# Altium PCB Pleiades_Frouf.PcbDoc (part 2 of 12)
Units mil, origin at the board's own origin, x right, y up, seen from the top; angles counter-clockwise.
Board outline 12244.09 x 4515.28 mil, 12 copper layers (TOP, GND1, IN1, GND2, POW1, GND3, POW2, GND4, GND5, IN2, GND6, BOT), stack 63.546 mil thick; 1442 components, 702 nets, 4419 pads, 1756 vias.
Unrouted connection lines stored in the file: 1088.
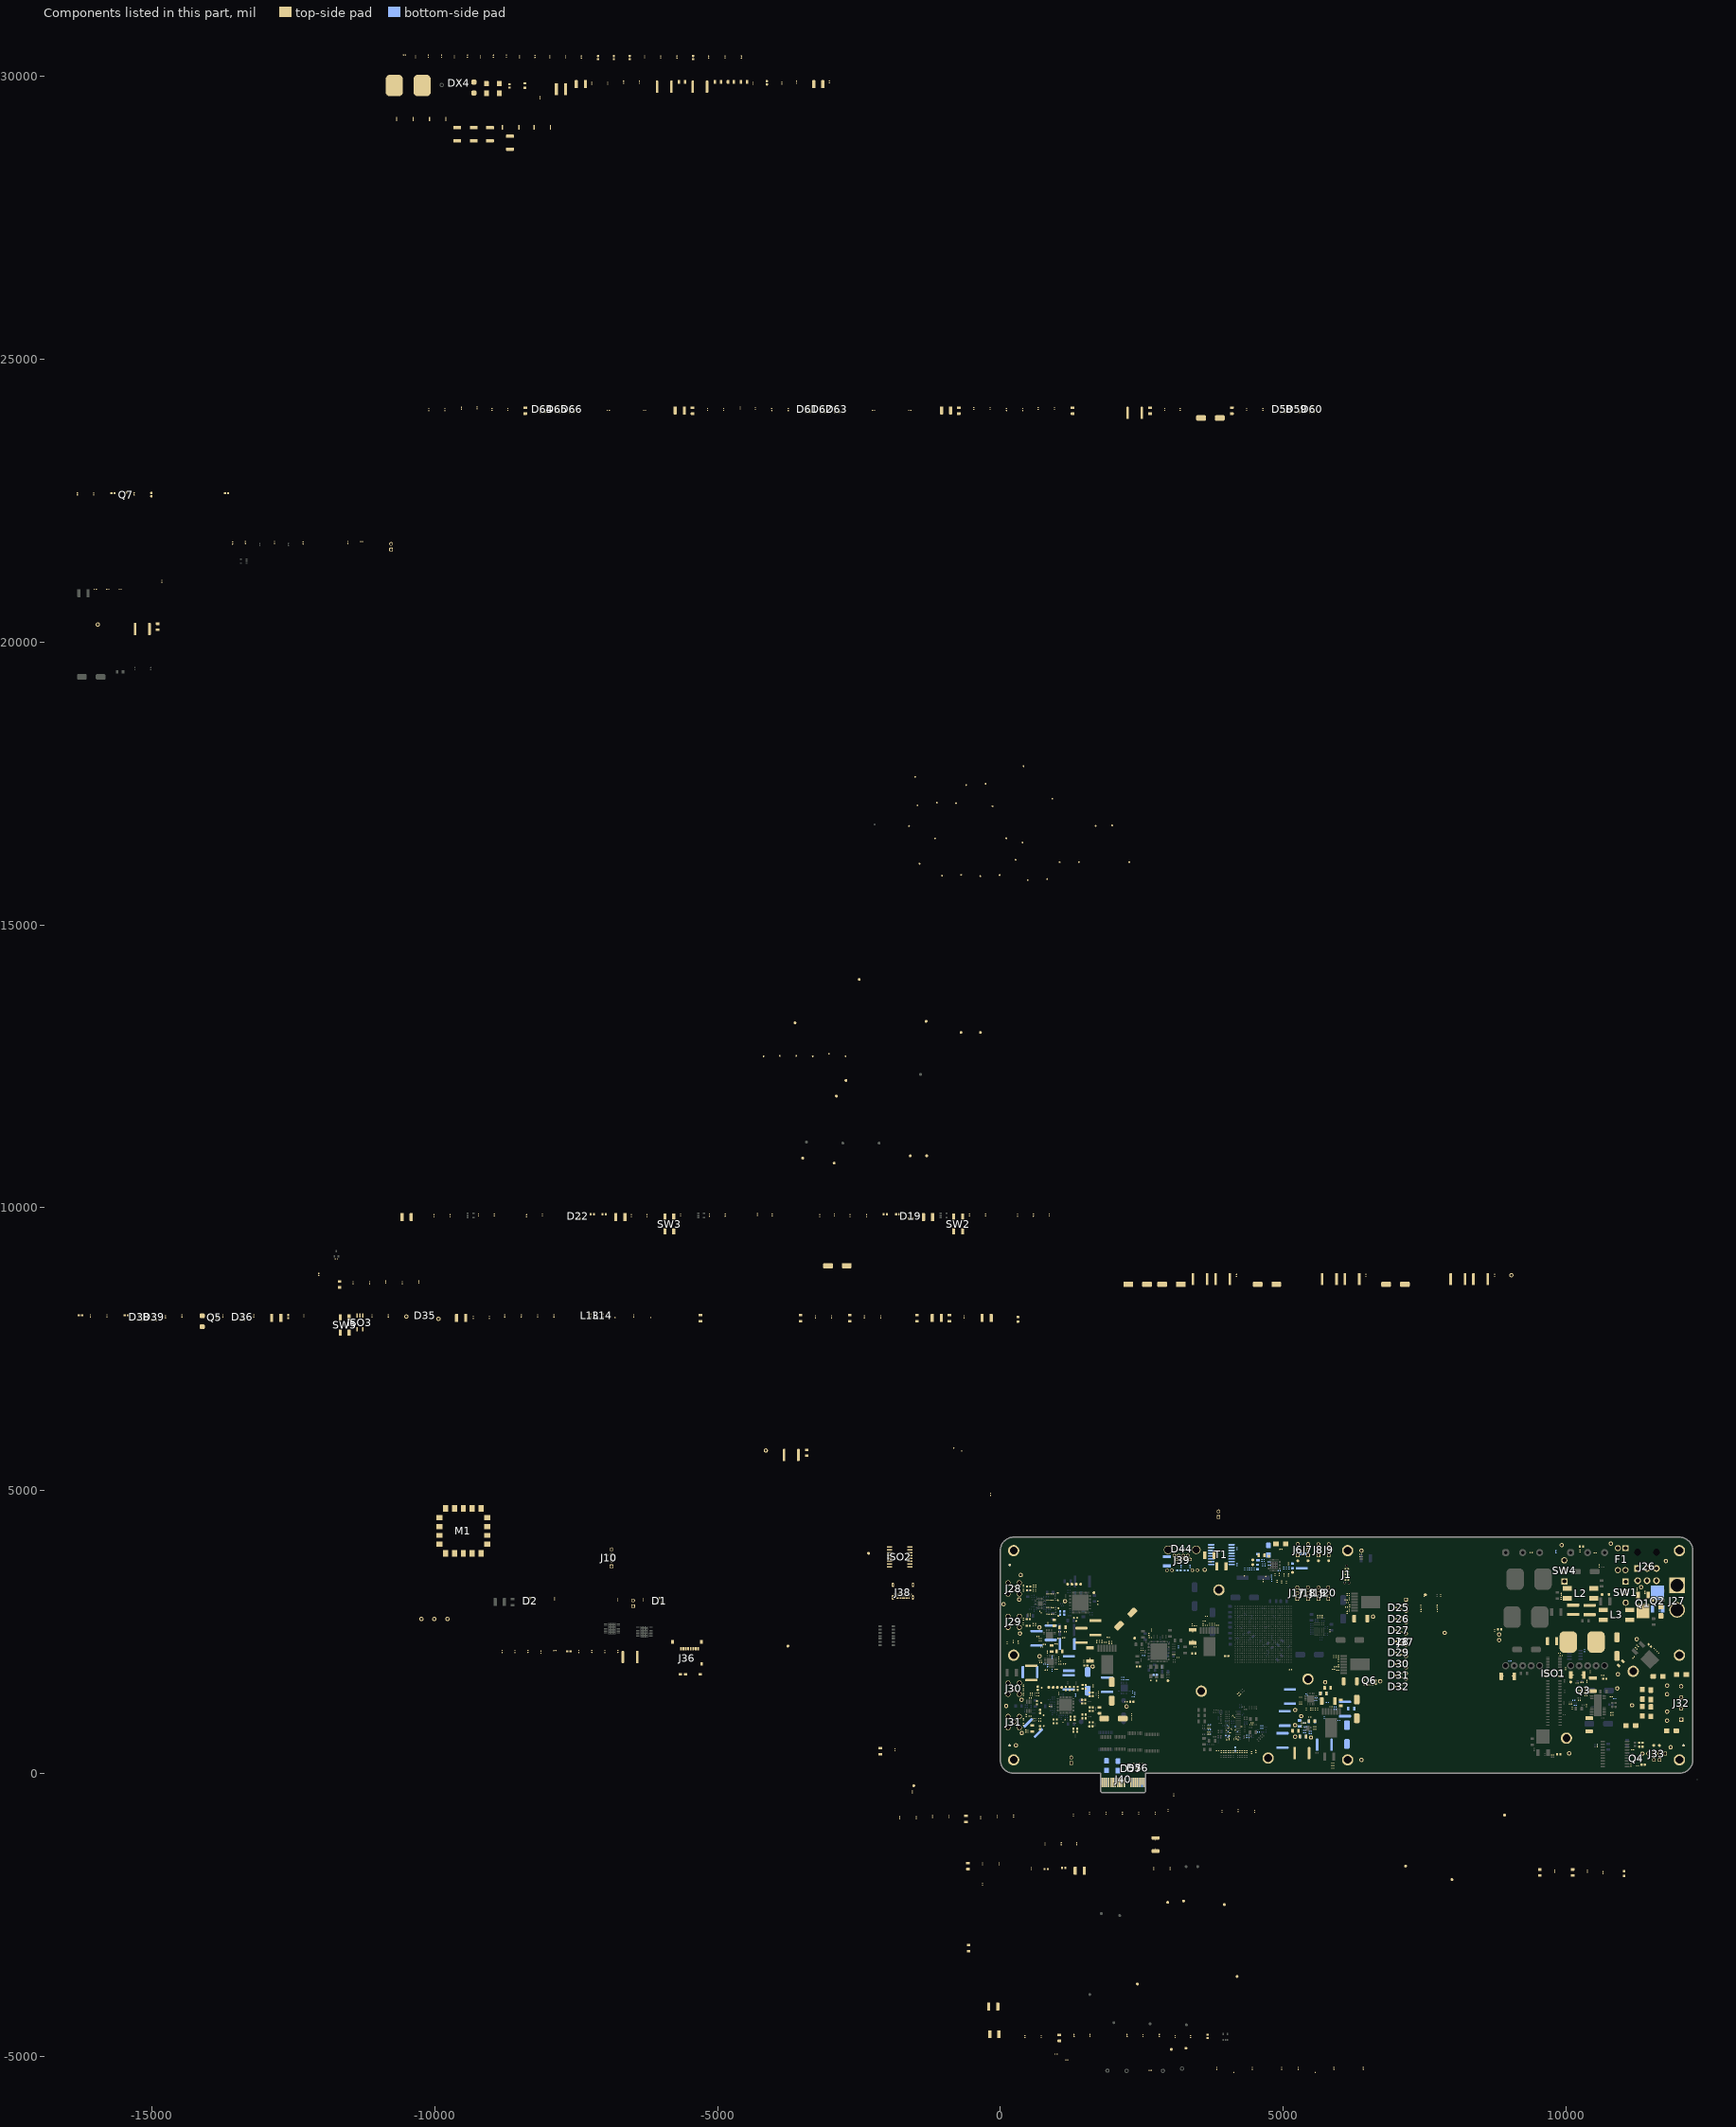
[diagram p12: the components of this part, seen from the top]

## Components (designator, comment, footprint, x,y, rotation, side; value= is the part's Value field where it differs from the comment) (continued)
C369 "1nF" CAP_0402 10554.23,487.63 r90 bottom
C370 "1nF" CAP_0402 10557.23,487.63 r90 top
C371 "4.7nF" CAP_1812 -1277.24,9833.35 r0 top
C372 "100nF" CAP_0402 -2655.19,9856.97 r90 top
C373 "100nF" CAP_0402 -2363.85,9856.97 r90 top
C374 "100nF" CAP_0402 -3194.56,9856.97 r90 top
C375 "4.7nF" CAP_1812 -6718.18,9833.35 r0 top
C376 "100nF" CAP_0402 -6525.26,9856.97 r90 top
C377 "100nF" CAP_0402 -6245.74,9856.97 r90 top
C378 "100nF" CAP_0402 -8375.65,9856.97 r90 top
C379 "100nF" CAP_0402 -10013.45,9856.97 r90 top
C380 "100nF" CAP_0402 -9729.98,9856.97 r90 top
C381 "4.7nF" CAP_1812 -10497.7,9833.35 r0 top
C382 "100nF" CAP_0402 -12050,8820 r90 top
C383 "100nF" CAP_0402 -10573.79,8671.97 r90 top
C384 "10uF" CAP_1206 -11684.02,8644.41 r90 top
C385 "100nF" CAP_0402 -11443.87,8671.97 r90 top
C386 "100nF" CAP_0402 -11152.53,8671.97 r90 top
C387 "1nF" CAP_0402 -10865.13,8687.72 r90 top
C388 "22uF" CAP_2220 1183.06,2284.9 r0 bottom
C389 "22uF" CAP_2220 893.31,2484.26 r270 bottom
C390 "22uF" CAP_2220 641.73,2385 r270 bottom
C391 "470nF" CAP_0402 709.73,2847.82 r315 top
C392 "22uF" CAP_2220 1214.16,1939.65 r90 bottom
C393 "22uF" CAP_2220 525,1790 r180 bottom
C394 "22uF" CAP_2220 547.95,1773.8 r270 top
C395 "470nF" CAP_0402 705.15,1995.02 r180 top
C396 "470nF" CAP_0402 1755,2330.54 r90 top
C397 "10uF" CAP_1206 953,2659.85 r90 top
C398 "1uF" CAP_1206 1100.7,2579.76 r0 top
C399 "47nF" CAP_0402 1048.4,2503.1 r0 top
C400 "10uF" CAP_1206 905.5,2206.72 r90 top
C401 "1uF" CAP_1206 1045.48,2155.9 r180 top
C402 "47nF" CAP_0402 1035.4,2036.61 r90 top
C403 "22uF" CAP_2220 -3697.36,5626.37 r0 top
C404 "1uF" CAP_1206 -3421.77,5665.74 r90 top
C405 "MAL215099101E3" CAP_ALU_1010_vishay 1835.22,967.1 r0 top value=100uF
C406 "MAL215099101E3" CAP_ALU_1010_vishay 1970.09,1282.85 r90 top value=100uF
C407 "22uF" CAP_2220 1681.14,2571.85 r90 top
C408 "22uF" CAP_2220 1434.6,2439.28 r90 top
C409 "100nF" CAP_0402 831.63,2142.87 r90 top
C410 "47nF" CAP_0402 2165.96,1697.68 r0 bottom
C411 "47nF" CAP_0402 2350.03,1352.83 r0 bottom
C412 "MAL215099101E3" CAP_ALU_1010_vishay 2333.85,2843.85 r225 top value=100uF
C413 "22uF" CAP_2220 -6547.4,2055 r0 top
C414 "1uF" CAP_1206 6206.16,1145.35 r0 bottom
C415 "MAL215099101E3" CAP_ALU_1010_vishay 1544.58,1790 r270 bottom value=100uF
C416 "47uF" CAP_2220 1210.07,1606.87 r90 bottom
C417 "22uF" CAP_2220 1887.83,1565.49 r90 bottom
C418 "470nF" CAP_0402 1737.6,1426.07 r90 top
C419 "100nF" CAP_0402 1737.83,1350.63 r270 top
C421 "10uF" CAP_1206 1754.12,1112.22 r270 top
C422 "100nF" CAP_0402 1639.29,1543.2 r90 top
C423 "100nF" CAP_0402 1330.99,1381.56 r90 bottom
C424 "47uF" CAP_2220 582.98,800.06 r315 bottom
C425 "10uF" CAP_1206 562.39,790.52 r270 top
C426 "100nF" CAP_0402 452.41,745.51 r270 top
C427 "100nF" CAP_0402 491.48,743.02 r270 top
C428 "470nF" CAP_0402 5729.06,982.18 r270 bottom
C429 "100nF" CAP_0402 5479.88,702.3 r180 bottom
C430 "1nF" CAP_0402 5479.88,743.18 r180 bottom
C431 "100nF" CAP_0402 5379.77,888.51 r0 bottom
C432 "1nF" CAP_0402 5379.88,888.46 r0 top
C433 "22uF" CAP_2220 6093.46,1135.59 r90 bottom
C434 "1uF" CAP_1206 6020.46,1246.55 r90 top
C435 "MAL215099101E3" CAP_ALU_1010_vishay 6303.46,1302.82 r270 top value=100uF
C436 "MAL215099101E3" CAP_ALU_1010_vishay 6128.46,519.12 r90 bottom value=100uF
C437 "22uF" CAP_2220 5030.08,967.57 r270 bottom
C438 "22uF" CAP_2220 5729.06,504.09 r180 bottom
C439 "100nF" CAP_0402 5470.64,993.18 r180 top
C440 "2.2uF" CAP_1206 5290.07,881.18 r90 bottom
C441 "47nF" CAP_0402 5393.07,822.3 r0 bottom
C442 "10uF" CAP_1206 5507.64,921.01 r180 top
C443 "1uF" CAP_1206 5509.7,919.19 r180 bottom
C444 "1uF" CAP_1206 5712.96,1410.87 r0 bottom
C445 "10uF" CAP_1206 5352.38,651.92 r0 top
C446 "10uF" CAP_1206 5220.51,750.12 r180 top
C447 "10uF" CAP_1206 5352.38,651.92 r0 bottom
C448 "100nF" CAP_0402 5379.88,716.92 r0 bottom
C449 "1nF" CAP_0402 5379.88,758.18 r0 bottom
C450 "22uF" CAP_2220 4988.46,580.92 r270 bottom
C451 "22uF" CAP_2220 5332.25,355.5 r180 top
C452 "22uF" CAP_2220 5120,1355.56 r90 bottom
C453 "470nF" CAP_0402 5418.64,1390.36 r315 bottom
C454 "10uF" CAP_1206 5712.96,1410.87 r0 top
C455 "1uF" CAP_1206 5788.46,1510.58 r0 top
C456 "47nF" CAP_0402 5585.14,1336.46 r180 bottom
C457 "470nF" CAP_0402 3587.5,2628.74 r90 top
C458 "470nF" CAP_0402 6173.26,2885 r270 top
C459 "470nF" CAP_0402 5965.69,1822.19 r180 top
C460 "MAL215099101E3" CAP_ALU_1010_vishay 6822.24,8645.47 r0 top value=100uF
C462 "22uF" CAP_2220 8089.96,8736.02 r0 top
C463 "22uF" CAP_2220 8491.53,8736.02 r0 top
C464 "100nF" CAP_0402 8739.56,8802.95 r90 top
C465 "22uF" CAP_2220 -15170.97,20231.02 r0 top
C466 "1uF" CAP_1206 -14899.32,20270.39 r90 top
C467 "MAL215099101E3" CAP_ALU_1010_vishay 2263.2,8645.47 r0 top value=100uF
C468 "MAL215099101E3" CAP_ALU_1010_vishay 2861.62,8645.47 r0 top value=100uF
C469 "22uF" CAP_2220 3530.91,8736.02 r0 top
C470 "22uF" CAP_2220 3932.49,8736.02 r0 top
C471 "100nF" CAP_0402 4176.58,8802.95 r90 top
C472 "MAL215099101E3" CAP_ALU_1010_vishay 4550.59,8645.47 r0 top value=100uF
C474 "22uF" CAP_2220 5818.31,8736.02 r0 top
C475 "22uF" CAP_2220 6219.88,8736.02 r0 top
C476 "100nF" CAP_0402 6463.98,8802.95 r90 top
C477 "100nF" CAP_0402 10284.37,1607.92 r0 top
C478 "100nF" CAP_0402 10329.25,2170.36 r90 bottom
C479 "100nF" CAP_0402 11242.66,2208.37 r135 top
C480 "100nF" CAP_0402 -312.4,-1960.91 r90 top
C481 "MAL214699108E3" CAP_ALU_1616_vishay 10534.08,2320 r180 top value=470uF
C482 "MAL215099101E3" CAP_ALU_1010_vishay 10904.08,2074.39 r90 top value=100uF
C483 "10uF" CAP_1206 10969.47,1943.94 r225 top
C484 "100nF" CAP_0402 11269.18,2253.26 r135 top
C485 "100nF" CAP_0402 11628.84,2138.38 r315 top
C486 "100nF" CAP_0402 11197.45,2047.51 r225 top
C487 "1nF" CAP_1812 9755.87,2335 r0 top
C488 "10uF" CAP_1206 -1474.09,8045.95 r90 top
C489 "4.7nF" CAP_1812 -1123.7,8049.89 r0 top
C490 "10uF" CAP_1206 -899.29,8045.95 r90 top
C491 "100nF" CAP_0402 -639.45,8069.57 r90 top
C492 "4.7nF" CAP_1812 -241.81,8049.89 r0 top
C493 "1uF" CAP_1206 -3533.14,8045.95 r90 top
C494 "100nF" CAP_0402 -3269.36,8069.57 r90 top
C495 "100nF" CAP_0402 -2981.96,8069.57 r90 top
C496 "1uF" CAP_1206 -2663.07,8045.95 r90 top
C497 "100nF" CAP_0402 -2403.22,8069.57 r90 top
C498 "100nF" CAP_0402 -2111.89,8069.57 r90 top
C499 "1uF" CAP_1206 -5300.86,8045.95 r90 top
C500 "470nF" CAP_0402 -9320.53,8061.7 r90 top
C501 "470nF" CAP_0402 -9033.13,8061.7 r90 top
C502 "1nF" CAP_1812 -9533.13,8049.89 r0 top
C503 "4.7nF" CAP_1812 -12800.84,8049.89 r0 top
C504 "100nF" CAP_0402 -14761.47,8069.57 r90 top
C505 "100nF" CAP_0402 4184.72,3971.16 r270 bottom
C506 "100nF" CAP_0402 4184.72,3689.59 r270 bottom
C507 "1nF" CAP_1812 2945.71,3746.67 r90 bottom
C508 "1nF" CAP_1812 3695,3855 r180 top
C509 "10uF" CAP_1206 4618.62,3852.08 r180 top
C510 "22pF" CAP_0402 4321.8,3611.72 r90 bottom
C511 "22pF" CAP_0402 4647.17,3408.86 r270 top
C512 "1nF" CAP_1812 3910,3659.12 r0 top
C513 "100nF" CAP_0402 4369.52,3611.72 r90 bottom
C514 "47nF" CAP_0402 4408.9,3611.66 r90 bottom
C515 "1nF" CAP_0402 4447.56,3611.72 r90 bottom
C516 "22uF" CAP_2220 5330.55,3753.52 r90 bottom
C517 "100nF" CAP_0402 5103.54,3629.22 r90 bottom
C518 "47nF" CAP_0402 5010.55,3629.22 r90 bottom
C519 "1nF" CAP_0402 5057.23,3629.22 r90 bottom
C520 "100nF" CAP_0402 4486.93,3611.66 r90 bottom
C521 "100nF" CAP_0402 4640.33,3684.43 r270 bottom
C522 "47nF" CAP_0402 4680.55,3684.37 r270 bottom
C523 "1nF" CAP_0402 4760.61,3680.35 r0 bottom
C524 "2.2uF" CAP_1206 4557.19,3822.08 r90 bottom
C525 "100nF" CAP_0402 4627.3,3762.47 r90 bottom
C526 "47nF" CAP_0402 4665.4,3762.47 r90 bottom
C527 "1nF" CAP_0402 4751.97,3736.87 r0 bottom
C528 "100nF" CAP_0402 3091.08,-4655.77 r90 top
C529 "100nF" CAP_0402 3362.73,-4655.77 r90 top
C530 "22pF" CAP_0402 2520.22,-4640.02 r90 top
C531 "10uF" CAP_1206 1043.84,-4679.39 r90 top
C532 "100nF" CAP_0402 724.94,-4655.77 r90 top
C533 "100nF" CAP_0402 433.61,-4655.77 r90 top
C534 "1uF" CAP_1206 9540.66,-1754.39 r90 top
C535 "100nF" CAP_0402 9800.5,-1730.77 r90 top
C536 "1uF" CAP_1206 10119.4,-1754.39 r90 top
C537 "100nF" CAP_0402 10379.24,-1730.77 r90 top
C538 "100nF" CAP_0402 4498.42,-674.51 r90 top
C539 "100nF" CAP_0402 3919.68,-674.51 r90 top
C540 "100nF" CAP_0402 2447.6,-705.91 r90 top
C541 "100nF" CAP_0402 2737.6,-705.91 r90 top
C542 "100nF" CAP_0402 1867.6,-705.91 r90 top
C543 "100nF" CAP_0402 2157.6,-705.91 r90 top
C544 "1nF" CAP_1812 1404.92,-1722.24 r0 top
C545 "100nF" CAP_0402 1577.6,-705.91 r90 top
C546 "1nF" CAP_1812 -125,-4125 r0 top
C547 "100nF" CAP_0402 -1862.4,414.09 r90 top
C548 "100nF" CAP_0402 1290,-740.91 r90 top
C549 "1nF" CAP_1812 -105,-4615 r0 top
C550 "1uF" CAP_1206 -5442.36,24091.87 r90 top
C551 "100nF" CAP_0402 -5178.58,24115.49 r90 top
C552 "100nF" CAP_0402 -4891.18,24115.49 r90 top
C553 "1nF" CAP_0402 -4599.84,24139.11 r90 top
C554 "1nF" CAP_0402 -4332.12,24131.24 r90 top
C555 "330pF" CAP_0402 -4040.78,24111.55 r90 top
C556 "330pF" CAP_0402 -3749.45,24111.55 r90 top
C557 "47uF" CAP_2220 2376.53,24052.5 r0 top
C558 "10uF" CAP_1206 2648.18,24091.87 r90 top
C559 "100nF" CAP_0402 2908.02,24115.49 r90 top
C560 "100nF" CAP_0402 3179.67,24115.49 r90 top
C561 "MAL215099101E3" CAP_ALU_1010_vishay 3549.75,23961.95 r0 top value=100uF
C562 "10uF" CAP_1206 4093.06,24091.87 r90 top
C563 "100nF" CAP_0402 4352.9,24115.49 r90 top
C564 "100nF" CAP_0402 4644.24,24115.49 r90 top
C565 "330pF" CAP_0402 -10107.7,24111.55 r90 top
C566 "330pF" CAP_0402 -9820.3,24111.55 r90 top
C567 "1nF" CAP_0402 -9528.96,24135.17 r90 top
C568 "1nF" CAP_0402 -9249.43,24143.05 r90 top
C569 "100nF" CAP_0402 -8989.59,24115.49 r90 top
C570 "100nF" CAP_0402 -8710.07,24115.49 r90 top
C571 "1uF" CAP_1206 -8399.04,24091.87 r90 top
C572 "1nF" CAP_1812 -958.11,24095.8 r0 top
C573 "1uF" CAP_1206 -733.7,24091.87 r90 top
C574 "47nF" CAP_0402 -469.92,24131.24 r90 top
C575 "1nF" CAP_0402 -182.52,24131.24 r90 top
C576 "330pF" CAP_0402 108.81,24111.55 r90 top
C577 "330pF" CAP_0402 396.22,24111.55 r90 top
C578 "1nF" CAP_0402 667.87,24131.24 r90 top
C579 "47nF" CAP_0402 959.21,24131.24 r90 top
C580 "1uF" CAP_1206 1278.1,24091.87 r90 top
C581 "1uF" CAP_1206 -560,-3090 r90 top
C582 "100nF" CAP_0402 2650.14,-5254.2 r0 top
C583 "100nF" CAP_0402 985.1,-4965 r0 top
C584 "1nF" CAP_0402 1175,-5070 r0 top
C585 "1nF" CAP_0402 -2241.57,24095.8 r0 top
C586 "330pF" CAP_0402 -1599.84,24095.8 r0 top
C587 "330pF" CAP_0402 -6930.54,24095.8 r0 top
C588 "330pF" CAP_0402 -6288.81,24095.8 r0 top
C589 "330pF" CAP_0402 -347.4,-785.91 r90 top
C590 "1nF" CAP_0402 -57.4,-765.91 r90 top
C591 "1nF" CAP_0402 232.6,-755.91 r90 top
C592 "100nF" CAP_0402 3065,-382.5 r90 top
C593 "100nF" CAP_0402 -1555.51,-330.9 r90 top
C594 "1uF" CAP_1206 -2122.4,389.09 r90 top
C595 "1uF" CAP_1206 -572.4,-1640.91 r90 top
C596 "47nF" CAP_0402 -312.4,-1600.91 r90 top
C597 "1nF" CAP_0402 -22.4,-1600.91 r90 top
C598 "330pF" CAP_0402 -1777.4,-785.91 r90 top
C599 "330pF" CAP_0402 -1487.4,-785.91 r90 top
C600 "1nF" CAP_0402 -1197.4,-765.91 r90 top
C601 "47nF" CAP_0402 -907.4,-765.91 r90 top
C602 "1uF" CAP_1206 -607.4,-805.91 r90 top
C603 "1nF" CAP_1812 -5666.76,24095.8 r0 top
CX1 "MAL214699108E3" CAP_ALU_1616_vishay -10222.87,29840 r180 top value=470uF
CX2 "MAL215099101E3" CAP_ALU_1010_vishay -3047.24,8972.44 r0 top value=100uF
CX3 "47uF" CAP_2220 -5942.4,29819.09 r0 top
CX4 "4.7uF" CAP_1206 -5627.4,29904.09 r0 top
CX5 "22uF" CAP_2220 -5312.4,29819.09 r0 top
CX6 "10uF" CAP_1206 -4992.4,29904.09 r0 top
CX7 "2.2uF" CAP_1206 -4762.4,29904.09 r0 top
CX8 "1uF" CAP_1206 -4532.4,29904.09 r0 top
CX9 "470nF" CAP_0402 -4372.4,29879.09 r90 top
CX10 "220nF" CAP_0603 -4127.4,29889.09 r90 top
CX11 "100nF" CAP_0402 -3862.4,29884.09 r90 top
CX12 "47nF" CAP_0402 -3602.4,29899.09 r90 top
CX13 "4.7nF" CAP_1812 -3217.4,29864.09 r0 top
CX14 "1nF" CAP_0402 -3022.4,29904.09 r90 top
CX15 "1nF" CAP_1812 -7417.4,29864.09 r0 top
CX16 "470pF" CAP_0402 -7222.4,29879.09 r90 top
CX17 "330pF" CAP_0402 -6942.4,29879.09 r90 top
CX18 "68pF" CAP_0402 -6662.4,29899.09 r90 top
CX19 "22pF" CAP_0402 -6382.4,29899.09 r90 top
D1 "BAV99-7-F" SOT23-3 -6026.64,3048.31 r0 top
D2 "BAV99-7-F" SOT23-3 -8314.04,3048.31 r0 top
D3 "SMBJ33-13" "DO214AA (SMB)" 11681.15,2867.54 r270 top
D4 "24V_IN" LED_0603 10275,4009.13 r0 top value=RED
D5 "5V" LED_0603 9875,335 r0 top value=RED
D6 "TPD1E1B04DPYR" TVS_DATA_TPD1E1B04DPYR 410.74,3313.86 r90 top
D7 "TPD1E1B04DPYR" TVS_DATA_TPD1E1B04DPYR 409.43,2723.66 r90 top
D8 "TPD1E1B04DPYR" TVS_DATA_TPD1E1B04DPYR 409.43,1550 r90 top
D9 "TPD1E1B04DPYR" TVS_DATA_TPD1E1B04DPYR 409.43,952.01 r90 top
D10 "SMBJ33-13" "DO214AA (SMB)" 11628.84,1712.45 r180 top
D11 "SMBJ33-13" "DO214AA (SMB)" 11352.68,1395.89 r270 top
D12 "SMBJ33-13" "DO214AA (SMB)" 11502.68,1089.03 r90 top
D13 "SMBJ33-13" "DO214AA (SMB)" 11866.45,750.89 r0 top
D14 "B340B-13-F" "DO214AA (SMB)" 12044.2,1745.09 r180 top
D15 "B340B-13-F" "DO214AA (SMB)" 11502.68,1385.89 r90 top
D16 "B340B-13-F" "DO214AA (SMB)" 11352.63,1096.78 r270 top
D17 "B340B-13-F" "DO214AA (SMB)" 11147.92,845 r0 top
D18 "CAN" LED_0603 11366.47,149.62 r0 top value=ORANGE
D19 "BAV99-7-F" SOT23-3 -1584.33,9853.04 r0 top
D20 "LED1" LED_0603 -2033.15,9884.53 r0 top value=ORANGE
D21 "LED2" LED_0603 -1812.67,9884.53 r0 top value=ORANGE
D22 "BAV99-7-F" SOT23-3 -7466.21,9853.04 r0 top
D23 "LED3" LED_0603 -7214.24,9884.53 r0 top value=ORANGE
D24 "LED4" LED_0603 -7005.58,9884.53 r0 top value=ORANGE
D25 "BAV99-7-F" SOT23-3 7042.27,2930 r90 top
D26 "BAV99-7-F" SOT23-3 7044.17,2730 r90 top
D27 "BAV99-7-F" SOT23-3 7044.17,2530 r90 top
D28 "BAV99-7-F" SOT23-3 7043.98,2329.93 r90 top
D29 "BAV99-7-F" SOT23-3 7044.17,2135 r90 top
D30 "BAV99-7-F" SOT23-3 7043.98,1930 r90 top
D31 "BAV99-7-F" SOT23-3 7044.17,1730 r90 top
D32 "BAV99-7-F" SOT23-3 7043.8,1530 r90 top
D33 "24V_MOT" LED_0603 10688.38,1671.64 r0 top value=RED
D34 "5V_MOT" LED_0603 11483.34,2259.82 r135 top value=RED
D35 "TPD2E001DRLR" TVS_USB_TPD2E001DRLR -10166.99,8089.26 r0 top value="11V Breakdown"
D36 "BAV99-7-F" SOT23-3 -13399.27,8065.64 r0 top
D37 "SMBJ5.0CA" TVS_PWR_SMBJ5.0CA -14111.86,7990.83 r90 top value="Vbr = 6.4V -  Clamp = 9.2V"
D38 "BAV99-7-F" SOT23-3 -15218.16,8065.64 r0 top
D39 "BAV99-7-F" SOT23-3 -14962.25,8065.64 r0 top
D40 "USB" LED_0603 -15454.38,8097.13 r0 top value=RED
D41 "RESET" LED_0603 -16265.4,8097.13 r0 top value=ORANGE
D42 "B340B-13-F" "DO214AA (SMB)" 4961.34,4054.58 r0 top
D43 "B340B-13-F" "DO214AA (SMB)" 4740.45,3944.58 r90 bottom
D44 "TPD4E05U06" TVS_DATA_TPD4E05U06 3209.37,3965.16 r270 bottom value="4 unidirectionnal channels"
D45 "+1V2" LED_0603 6635.36,1610.78 r90 top value=RED
D46 "+12V" LED_0603 8827.06,2542.83 r0 top value=RED
D47 "-6V" LED_0603 2323.9,1264.4 r0 top value=RED
D48 "+3V3D" LED_0603 3422.85,2116.32 r0 top value=RED
D49 "+6V" LED_0603 1511.84,1906.22 r0 top value=RED
D50 "+1V8D" LED_0603 -13680.91,22631.79 r0 top value=RED
D51 "+2V5D" LED_0603 -15688.78,22631.79 r0 top value=RED
D52 "SMBJ33-13" "DO214AA (SMB)" 2081.56,130 r90 bottom
D53 "SMBJ33-13" "DO214AA (SMB)" 1877.5,135 r90 bottom
D54 "12V_PCI" LED_0603 810.86,-1693.05 r0 top value=RED
D55 "3V3_PCI" LED_0603 1121.46,-1675 r0 top value=RED
D56 "TPD4E05U06" TVS_DATA_TPD4E05U06 2431.58,90 r90 top value="4 unidirectionnal channels"
D57 "TPD2E001DRLR" TVS_USB_TPD2E001DRLR 2320,84.94 r270 top value="11V Breakdown"
D58 "BAV99-7-F" SOT23-3 4994.63,24115.49 r0 top
D59 "BAV99-7-F" SOT23-3 5250.54,24115.49 r0 top
D60 "BAV99-7-F" SOT23-3 5510.38,24115.49 r0 top
D61 "BAV99-7-F" SOT23-3 -3402.99,24115.49 r0 top
D62 "BAV99-7-F" SOT23-3 -3143.15,24115.49 r0 top
D63 "BAV99-7-F" SOT23-3 -2887.24,24115.49 r0 top
D64 "BAV99-7-F" SOT23-3 -8091.96,24115.49 r0 top
D65 "BAV99-7-F" SOT23-3 -7832.11,24115.49 r0 top
D66 "BAV99-7-F" SOT23-3 -7576.21,24115.49 r0 top
DX1 "SMBJ33-13" "DO214AA (SMB)" -8857.4,29789.09 r90 top
DX2 "B340B-13-F" "DO214AA (SMB)" -9087.4,29789.09 r90 top
DX3 "SMBJ5.0CA" TVS_PWR_SMBJ5.0CA -9307.4,29804.09 r90 top value="Vbr = 6.4V -  Clamp = 9.2V"
DX4 "BAV99-7-F" SOT23-3 -9577.4,29884.09 r0 top
F1 "3568" 3568 10986.6,3786.32 r270 top
F2 "0297010.WXNV" 0297010.WXNV 12555,3575 r90 top
FB1 "782633601" IND_0603 2739.01,1740 r0 bottom
FB2 "782633601" IND_0603 2440.8,1886.99 r0 top
FB3 "782633601" IND_0603 11326.74,469.04 r0 top
FB4 "782633601" IND_0603 11326.74,538.85 r0 top
FB5 "782853152" IND_0805 309.37,8026.27 r90 top
FB6 "782853152" IND_0805 5163.23,3666.87 r270 bottom
FB7 "782853152" IND_0805 4543.9,3647.29 r90 bottom
FB8 "782853152" IND_0805 11028.84,-1774.08 r90 top
FBX1 "782633601" IND_0603 -8677.4,29834.09 r90 top
FBX2 "782853152" IND_0805 -8407.4,29839.09 r90 top
FD1 "FIDUCIAL" FIDUCIAL 165.35,3681.54 r0 top locked
FD2 "FIDUCIAL" FIDUCIAL 165.35,492.13 r0 top locked
FD3 "FIDUCIAL" FIDUCIAL 12080.67,492.13 r0 top locked
FD4 "FIDUCIAL" FIDUCIAL 165.35,3681.54 r180 bottom locked
FD5 "FIDUCIAL" FIDUCIAL 165.35,492.13 r180 bottom locked
FD6 "FIDUCIAL" FIDUCIAL 12080.67,492.13 r180 bottom locked
H1 "12 LAYERS" LAYERS_12 11267.72,74.8 r0 top locked
H3 "MTS-20" STANDOFF_MTS-20 6141.73,236.22 r180 bottom locked
H5 "MTS-20" STANDOFF_MTS-20 236.22,236.22 r180 bottom locked
H7 "MTS-20" STANDOFF_MTS-20 236.22,2086.61 r180 bottom locked
H9 "MTS-20" STANDOFF_MTS-20 12007.87,2086.61 r180 bottom locked
H11 "MTS-20" STANDOFF_MTS-20 236.22,3937.01 r180 bottom locked
H13 "MTS-20" STANDOFF_MTS-20 6141.73,3937.01 r180 bottom locked
H15 "MTS-20" STANDOFF_MTS-20 12007.87,3937.01 r180 bottom locked
H17 "MTS-20" STANDOFF_MTS-20 12007.87,236.22 r180 bottom locked
HEAT1 "ATS-CPX025025015-166-C1-R0" ATS-CPX025025015-166-C1-R0 4145.55,859.45 r0 top
HEAT2 "ATS-H1-152-C2-R0" ATS-H1-152-C2-R0 4652.4,2452.6 r0 top
HEAT3 "ATS-CPX025025015-166-C1-R0" ATS-CPX025025015-166-C1-R0 10600.35,1210.55 r90 top
ISO1 "ACPL-M72T" SOIC-5_4.4MM 9782.5,1765 r180 top
ISO2 "ADUM3160BRWZ-RL" ISO_ADUM3160BRWZ-RL -1780,3825 r0 top value="2500Vrms voltage isolation"
ISO3 "ACPL-M72T" SOIC-5_4.4MM -11324.47,7971.15 r90 top
J1 "Tag-Connect 10 pin" TC2050-NL 6126.73,3516.22 r270 top
J6 "TCK_SELECT" HEADER-3_100MIL 5260,3953.3 r90 top
J7 "TMS_SELECT" HEADER-3_100MIL 5440,3953.3 r90 top
J8 "TDI_SELECT" HEADER-3_100MIL 5625,3951.42 r90 top
J9 "TDO_SELECT" HEADER-3_100MIL 5806.66,3951.94 r90 top
J10 "FAN" FAN_HEADER-4 -6875,3810 r90 top
J12 "TAG_RST" HEADER-2_100MIL -6491.21,3005 r90 top
J17 "TCK_EXT_SELECT" HEADER-3_100MIL 5250,3185 r90 top
J18 "TMS_EXT_SELECT" HEADER-3_100MIL 5440,3185 r90 top
J19 "TDI_EXT_SELECT" HEADER-3_100MIL 5625,3185 r90 top
J20 "TDO_EXT_SELECT" HEADER-3_100MIL 5798.76,3185 r90 top
J22 "PCI_RST" HEADER-2_100MIL 1255,229.67 r90 top
J23 "RFUSE" HEADER-2_100MIL -10772.22,21685.2 r90 top
J25 "WDT_RST_EN" HEADER-2_100MIL 3858.02,4580 r90 top
J26 "0039300060" CON_MINIFIT_0039300060 11435.35,3801.95 r0 top
J27 "BATTERY_IN" XT90 11967.87,3105 r270 top
J28 "IN1" CONN_SMA_5-1814400-1 236.22,3267.72 r90 top locked
J29 "IN2" CONN_SMA_5-1814400-1 236.22,2677.17 r90 top locked
J30 "OUT1" CONN_SMA_5-1814400-1 236.22,1496.06 r90 top locked
J31 "OUT2" CONN_SMA_5-1814400-1 236.22,905.51 r90 top locked
J32 "MOTORS" CONN_TERMINAL_OSTTA040161 12037.68,1242.46 r90 top
J33 "CANBUS" HEADER-4_100MIL 11604.16,347.57 r180 top
J34 "CAN_TERM" HEADER-2_100MIL 11606.84,236.22 r180 top
J36 "5025700893" MICROSD_5025700893 -5540,2040 r0 top
J37 "DEBUG IO CONNECTOR" HEADER-16_100MIL 7174.17,2319.06 r270 top
J38 "UJ31-CH-G2-SMT-TR" UJ31-CH-G2-SMT-TR -1721.9,3276.32 r180 top
J39 "RJHSE-5385" CONN_ETHERNET_RJHSE-5385 3215.71,3850 r180 top
J40 "PCIe_x1" PCIe_x1 1797.24,-161.42 r0 top locked
L1 "74439346100" 74439346100 10419.45,2886.85 r90 top
L2 "PLT10HH101150PNL" IND_PLT10HH101150PNL 10258.09,3181.14 r270 top value="100R @ 10MHz"
L3 "PLT10HH101150PNL" IND_PLT10HH101150PNL 10895,2800 r90 top value="100R @ 10MHz"
L4 "74439346100" 74439346100 10127.01,2891.52 r270 top
L5 "ASCH0010050547NJCP" IND_0402 840.66,3171.49 r0 top
L6 "ASCH0010050547NJCP" IND_0402 840.91,3057.19 r0 top
L7 "ASCH0010050547NJCP" IND_0402 841.79,2928.06 r0 top
L8 "ASCH0010050547NJCP" IND_0402 843.16,2811.03 r0 top
L9 "ASCH0010050547NJCP" IND_0402 659,1371.06 r180 top
L10 "ASCH0010050547NJCP" IND_0402 659.23,1417.76 r180 top
L11 "ASCH0010050547NJCP" IND_0402 697.5,966.09 r180 top
L12 "ASCH0010050547NJCP" IND_0402 699.15,922.48 r180 top
L13 "DLM11SN900HY2L" DLM11SN900HY2L -7253.61,8093.2 r90 top
L14 "DLM11SN900HY2L" DLM11SN900HY2L -7033.14,8093.2 r90 top
LX1 "ASCH0010050547NJCP" IND_0402 -8137.4,29624.09 r90 top
LX2 "74439346100" 74439346100 -7767.4,29774.09 r0 top
M1 "410-357-B" MOD_JTAG_410-357-B -9495,4285 r0 top
MT1 "M3" MTH_M3 236.22,3937.01 r0 top locked
MT2 "M3" MTH_M3 236.22,2086.61 r0 top locked